# Altium PCB Copy of 2 Layers.PcbDoc (part 1 of 2)
Units mm, origin at the board's own origin, x right, y up, seen from the top; angles counter-clockwise.
Board outline 80.11 x 59.8 mm, 4 copper layers (Top Layer 1, Signal 1, Signal 2, Bottom Layer 1), stack 1.782 mm thick; 83 components, 58 nets, 373 pads, 5 vias.
Unrouted connection lines stored in the file: 233.
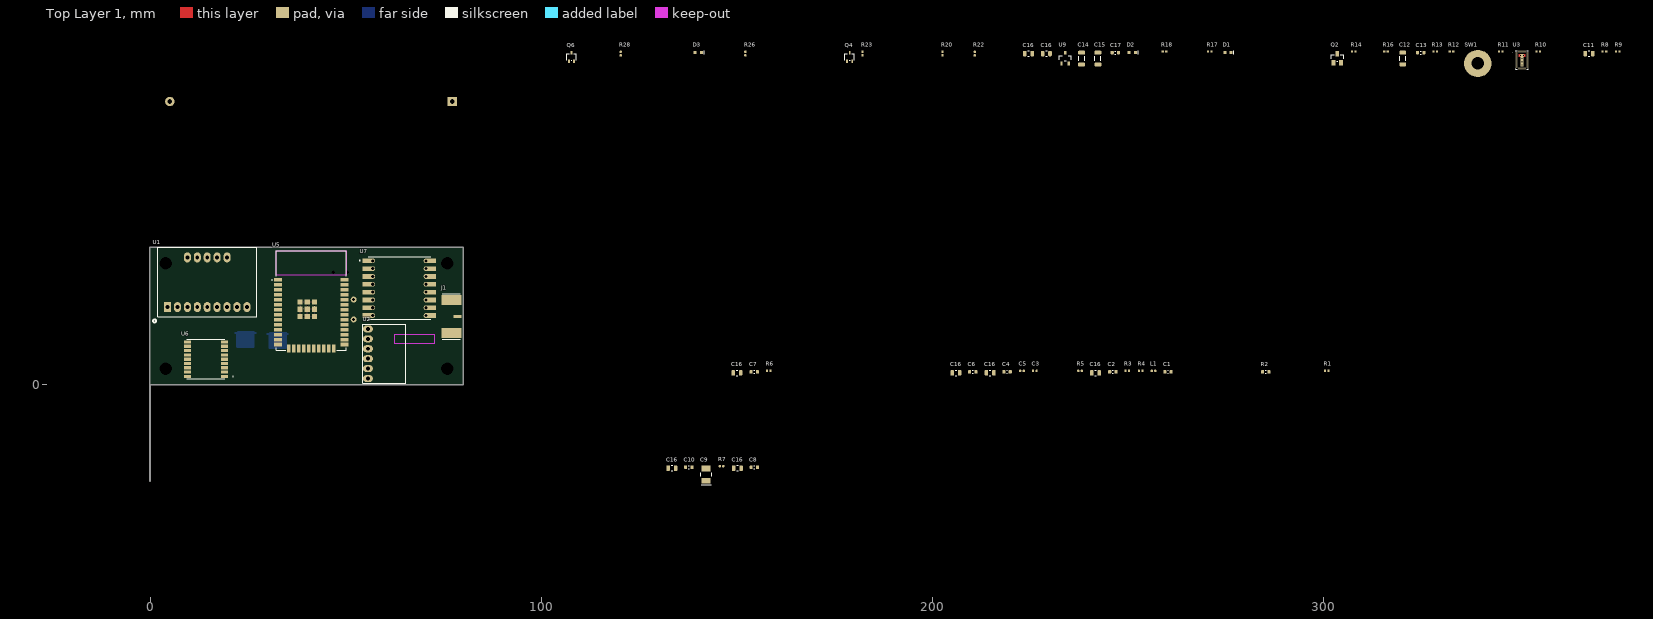
[diagram p0: Top Layer 1 view]
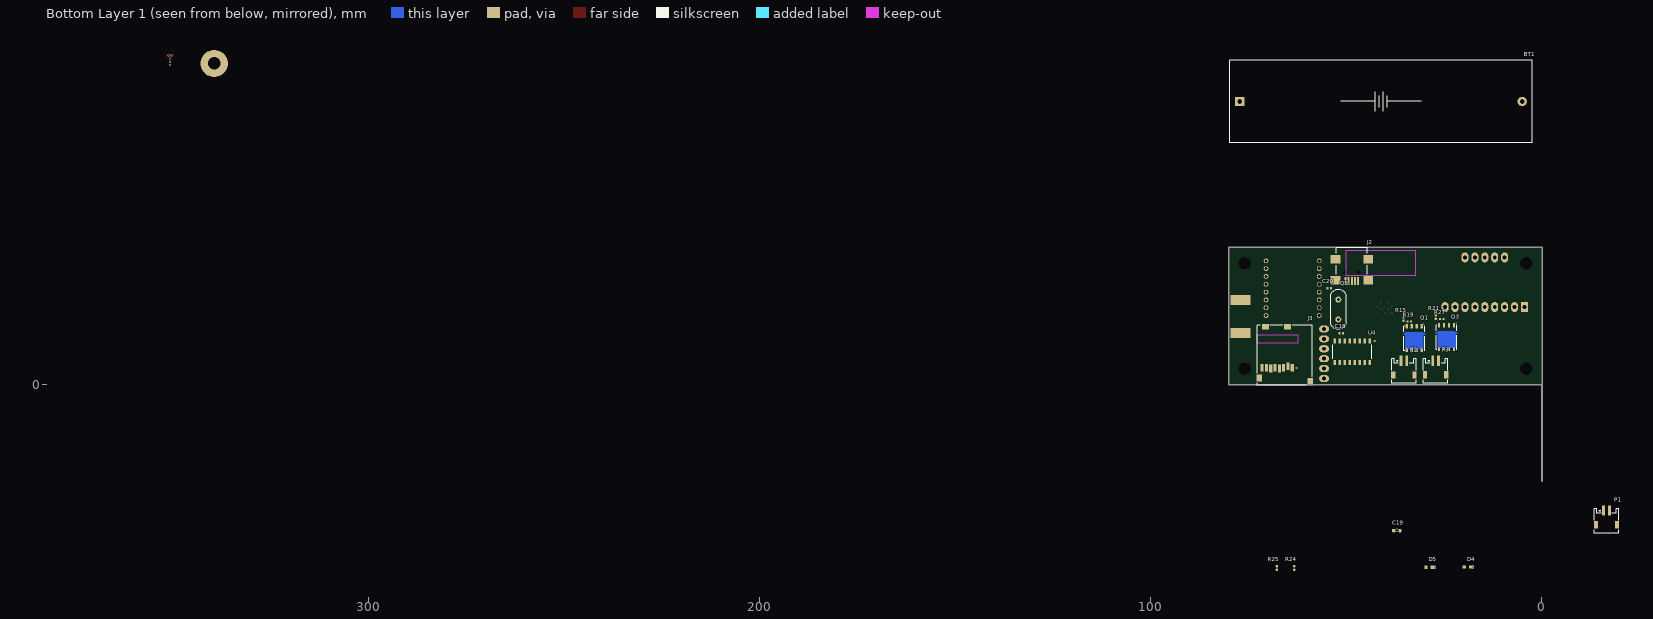
[diagram p1: Bottom Layer 1 view, seen from below]

## Layer stack, top to bottom
Top Solder: solder mask 0.01, Solder Resist, Dk 3.5
Top Layer 1: signal copper 0.035
Dielectric 1: prepreg 0.0711, PP-006, Dk 4.1
Signal 1: signal copper 0.035
Dielectric1: core 1.5, FR-4, Dk 4.8
Signal 2: signal copper 0.035
Dielectric 2: prepreg 0.0711, PP-006, Dk 4.1
Bottom Layer 1: signal copper 0.035
Bottom Solder: solder mask 0.01, Solder Resist, Dk 3.5

## Board outline
-0.05,-24.638 -0.05,35.062 cw(c0,35.062) 0,35.112 80.01,35.112 cw(c80.01,35.062) 80.06,35.062 80.06,0 cw(c80.01,0) 80.01,-0.05 0.05,-0.05 0.05,-24.638 cw(c0,-24.638)

## Design rules (kind name [scope] priority, off if disabled: settings)
AcuteAngle [All] p1: minimum=9.00000000000000E+0001 checktracksonly=TRUE
BoardOutlineClearance BoardOutlineClearance_Overlay [OnLayer('Top Overlay','Bottom Overlay')] p1: gap=0.2 ignorepadtopadclearanceinfootprint=FALSE
BoardOutlineClearance [All] p2: gap=0.5 ignorepadtopadclearanceinfootprint=FALSE
Clearance "Net to Polygon 0.5mm" [InNet('your net here') vs (IsRegion)] p1: gap=0.5 ignorepadtopadclearanceinfootprint=FALSE
Clearance "Poly 0.3mm" [(IsRegion)] p2: gap=0.3 ignorepadtopadclearanceinfootprint=FALSE
Clearance [All] p3: gap=0.25 ignorepadtopadclearanceinfootprint=TRUE
ComponentClearance ComponentClearance_ignore [HasFootprint('NET_TIE_0.5mm')] p1: gap=0 collisioncheckmode=3 verticalgap=0 showdistances=FALSE
ComponentClearance [All] p2: gap=0.2 collisioncheckmode=3 verticalgap=0.2 showdistances=FALSE
DiffPairsRouting [All] p1: maxlimit=0.254 minlimit=0.25 mostfreqgap=0.254 toplayer_maxgap=0.25 toplayer_prefgap=0.25 toplayer_minwidth=0.25 toplayer_maxwidth=0.25 toplayer_prefwidth=0.25 midlayer1_mingap=0.254 midlayer1_minwidth=0.381 midlayer1_maxwidth=0.381 midlayer1_prefwidth=0.381 midlayer2_mingap=0.254 midlayer2_minwidth=0.381 midlayer2_maxwidth=0.381 midlayer2_prefwidth=0.381 bottomlayer_maxgap=0.25 bottomlayer_prefgap=0.25 bottomlayer_minwidth=0.25 bottomlayer_maxwidth=0.25 bottomlayer_prefwidth=0.25 maxuncoupledlength=12.7
FabricationTestPointUsage TestPointUsage [All] p1: valid=0 allowmultiple=FALSE
FabricationTestpoint Testpoint [All] p1: side=3 testpointundercomponent=TRUE minsize=1.016 maxsize=2.54 preferedsize=1.524 minholesize=0 maxholesize=1.016 preferedholesize=0.813 testpointgrid=0.025 allowsidetop=TRUE allowsidebottom=TRUE usegrid=TRUE gridtolerance=0
HoleSize [All] p1: absolutevalues=TRUE maxlimit=6 minlimit=0.25 maxpercent=80.000 minpercent=20.000
HoleToHoleClearance [All] p1: gap=0.3 allowstackedmicrovias=FALSE
MinimumAnnularRing [All] p1: minimumring=0.15
MinimumSolderMaskSliver [All] p1: minsoldermaskwidth=0.15
PasteMaskExpansion PasteMaskExpansion_DNP [IsPad AND HasCompParameterValue('Populated','DNP')] p1: expansion=-5
PasteMaskExpansion [All] p2: expansion=0
PlaneClearance PlaneClearance_pads [IsPad] p1: clearance=0.3
PlaneClearance PlaneClearance_drill [IsObjectKind('Hole')] p2: clearance=0.4
PlaneConnect PlaneConnect_full [IsVia] p1: planeconnectstyle=Direct reliefexpansion=0.5 reliefentries=4 reliefconductorwidth=0.3 reliefairgap=0.3
PlaneConnect [All] p2: planeconnectstyle=Relief reliefexpansion=0.3 reliefentries=4 reliefconductorwidth=0.25 reliefairgap=0.25
PolygonConnect PolygonConnect_0.7 [IsNamedPolygon('0.7mm') vs (InPadClass('All Pads'))] p1: connectstyle=Relief reliefconductorwidth=0.7 reliefentries=4 polygonreliefangle="90 Angle" airgapwidth=0.25
PolygonConnect PolygonConnect_0.5 [IsNamedPolygon('0.5mm') vs (InPadClass('All Pads'))] p2: connectstyle=Relief reliefconductorwidth=0.5 reliefentries=4 polygonreliefangle="90 Angle" airgapwidth=0.25
PolygonConnect PolygonConnect_full [All vs IsVia or IsNamedPolygon('full')] p3: connectstyle=Direct reliefconductorwidth=0 reliefentries=4 polygonreliefangle="90 Angle" airgapwidth=0.254
PolygonConnect [All] p4: connectstyle=Relief reliefconductorwidth=0.3 reliefentries=4 polygonreliefangle="90 Angle" airgapwidth=0.25
RoomDefinition PowerSupply [InComponentClass('PowerSupply')] p1: confinementstyle=ConfineIn formatcopy=TRUE lockcomponents=FALSE outline 106.144,1.844 376.654,1.844 376.654,87.823 106.144,87.823
RoutingCorners [All] p1: cornerstyle=45-Degree minsetback=2.5 maxsetback=2.5
RoutingLayers [All] p1: top layer_v5=TRUE mid layer 1_v5=FALSE mid layer 2_v5=FALSE bottom layer_v5=TRUE
RoutingVias [All] p1: holewidth=0.4 width=0.8 viastyle="Through Hole" minholewidth=0.3 minwidth=0.7 maxholewidth=1.6 maxwidth=2.5
SMDToCorner [All] p1: distance=39370
ShortCircuit [IsNet] p1: allowed=FALSE
SilkToSilkClearance [All] p1: silktosilkclearance=0.15
SilkToSolderMaskClearance SilkscreenOverComponentPads [IsPad] p1: minsilkscreentomaskgap=0.2 clearancetoexposedcopper=TRUE
SolderMaskExpansion SolderMaskExpansion_Component_Via [IsComponentVia] p1: expansion=0.075 istentingtop=FALSE soldermaskfromhole=TRUE
SolderMaskExpansion [All] p2: expansion=0.1 istentingtop=FALSE
UnRoutedNet [All] p1: checkbadconnections=TRUE
ViasUnderSMD [All] p1: allowed=FALSE
Width [All] p1: maxlimit=7 minlimit=0.2 preferedwidth=0.25
14 further rules are at their usual default settings.

## Classes and differential pairs
component class PowerSupply: BT1 C11 C12 C13 C14 C15 C16 C17 C18 C19 C20 D1 D2 D3 D4 D5 J2 P2 P3 Q1 Q2 Q3 Q4 Q5 Q6 R8 R9 R10 R11 R12 R13 R14 R15 R16 R17 R18 R19 R20 R21 R22 R23 R24 R25 R26 R27 R28 SW1 U3 U4 U9

## Components (designator, comment, footprint, x,y, rotation, side; value= is the part's Value field where it differs from the comment)
BT1 "Battery 2 Pin" BAT_HOLDER_18650 41.148,72.39 r0 bottom value=18650
C1 "Capacitor NP" CAP_C_0603 260.322,3.241 r0 top value=0.1uF
C2 "Capacitor NP" CAP_C_0603 246.225,3.241 r0 top value=0.1uF
C3 "Capacitor NP" CAP_C_0402 226.286,3.495 r0 top value=10000pF
C4 "Capacitor NP" CAP_C_0603 219.174,3.241 r0 top value=0.1uF
C5 "Capacitor NP" CAP_C_0402 222.984,3.495 r0 top value=10000pF
C6 "Capacitor NP" CAP_C_0603 210.411,3.241 r0 top value=0.1uF
C7 "Capacitor NP" CAP_C_0603 154.531,3.241 r0 top value=0.1uF
C8 "Capacitor NP" CAP_C_0603 154.531,-21.143 r0 top value=0.1uF
C9 "Capacitor POL" CAP_TANT_B 142.212,-23.048 r90 top value=10uF
C10 "Capacitor NP" CAP_C_0603 137.767,-21.143 r0 top value=0.1uF
C11 "Capacitor NP" CAP_C_0805 368.018,84.648 r0 top value=1.2uF
C12 "Capacitor NP" CAP_C_1206 320.393,83.378 r90 top value=22uF
C13 "Capacitor NP" CAP_C_0603 324.965,84.902 r0 top value=0.1uF
C14 "Capacitor NP" CAP_C_1206 238.224,83.378 r90 top value=22uF
C15 "Capacitor NP" CAP_C_1206 242.415,83.378 r90 top value=22uF
C16 "Capacitor NP" CAP_C_0805 150.086,2.987 r0 top value=2.2uF
C16 "Capacitor NP" CAP_C_0805 150.213,-21.397 r0 top value=2.2uF
C16 "Capacitor NP" CAP_C_0805 241.78,2.987 r0 top value=2.2uF
C16 "Capacitor NP" CAP_C_0805 133.449,-21.397 r0 top value=2.2uF
C16 "Capacitor NP" CAP_C_0805 206.093,2.987 r0 top value=2.2uF
C16 "Capacitor NP" CAP_C_0805 214.856,2.987 r0 top value=2.2uF
C16 "Capacitor NP" CAP_C_0805 224.635,84.648 r0 top value=2.2uF
C16 "Capacitor NP" CAP_C_0805 229.207,84.648 r0 top value=2.2uF
C17 "Capacitor NP" CAP_C_0603 246.86,84.902 r0 top value=0.1uF
C18 "Capacitor NP" CAP_C_0402 51.308,13.081 r0 bottom value=20pF
C19 "Capacitor NP" CAP_C_0603 37.084,-37.338 r180 bottom value=0.1uF
C20 "Capacitor NP" CAP_C_0402 54.356,24.638 r180 bottom value=20pF
D1 "LED_red" LED_0603_RED 275.689,84.902 r0 top value=RED
D2 "LED_red" LED_0603_RED 251.178,84.902 r0 top value=RED
D3 "LED_red" LED_0603_RED 140.18,84.902 r0 top value=RED
D4 "LED_red" LED_0603_RED 19.045,-46.67 r180 bottom value=RED
D5 "LED_red" LED_0603_RED 28.829,-46.736 r180 bottom value=RED
J1 "CON_EDGE_SMA" SMA_EDGEMNT_9.5 77.978,17.399 r90 top value="RF Coaxial Female"
J2 "CON USB2.0 Mini_Micro" CON_USB-B_Mini_SMD_RA_HIR_UX60-MB-5ST 48.613,29.227 r0 bottom value="USB2.0 MINI-B FEMALE"
J3 "MEM2061-01-188-00-A_REVA" GCT_MEM2061-01-188-00-A_REVA 65.786,7.493 r180 bottom
L1 "Inductor" IND_C_0402 256.639,3.495 r0 top value=27nH
P1 "648102131822" 648102131822 -16.522,-34.908 r180 bottom
P2 "648102131822" 648102131822 35.306,3.429 r180 bottom
P3 "648102131822" 648102131822 27.19,3.446 r180 bottom
Q1 "Transistor MOS-N SSSGDDDD" PDFN-8_5x6 32.639,11.738 r0 bottom value=BSC032N04LSATMA1
Q2 "Transistor MOS-N GSD" SOT-23-3 303.629,83.505 r0 top value=2N7002-G
Q3 "Transistor MOS-N SSSGDDDD" PDFN-8_5x6 24.384,11.992 r0 bottom value=BSC032N04LSATMA1
Q4 "Transistor NPN BEC" SOT-323-3 178.915,83.759 r0 top value=BC847W
Q5 "12MHz" THT_Crystal 52.07,19.177 r270 bottom
Q6 "Transistor NPN BEC" SOT-323-3 107.795,83.759 r0 top value=BC847W
R1 "Resistor" RES_C_0402 300.962,3.495 r0 top value=10k
R2 "Resistor" RES_C_0603 285.341,3.241 r0 top value=BLM18EG601SN1D
R3 "Resistor" RES_C_0402 249.908,3.495 r0 top value=2.2k
R4 "Resistor" RES_C_0402 253.337,3.495 r0 top value=2.2k
R5 "Resistor" RES_C_0402 237.843,3.495 r0 top value=10R
R6 "Resistor" RES_C_0402 158.214,3.495 r0 top value=10k
R7 "Resistor" RES_C_0402 146.149,-20.889 r0 top value=10k
R8 "Resistor" RES_C_0402 371.955,85.156 r0 top value=100R
R9 "Resistor" RES_C_0402 375.384,85.156 r0 top value=33k
R10 "Resistor" RES_C_0402 355.064,85.156 r0 top value=10k
R11 "Resistor" RES_C_0402 345.412,85.156 r0 top value=2.2k
R12 "Resistor" RES_C_0402 332.839,85.156 r0 top value=1k
R13 "Resistor" RES_C_0402 328.648,85.156 r0 top value=3.3k
R14 "Resistor" RES_C_0402 307.82,85.156 r0 top value=2.2k
R15 "Resistor" RES_C_0402 35.389,16.764 r90 bottom value=100R
R16 "Resistor" RES_C_0402 316.075,85.156 r0 top value=100k
R17 "Resistor" RES_C_0402 270.99,85.156 r0 top value=33k
R18 "Resistor" RES_C_0402 259.433,85.156 r0 top value=62k
R19 "Resistor" RES_C_0402 33.909,16.129 r0 bottom value=3.3k
R20 "Resistor" RES_C_0402 202.664,84.648 r90 top value=2.2k
R21 "Resistor" RES_C_0402 27.134,17.272 r90 bottom value=100R
R22 "Resistor" RES_C_0402 210.919,84.648 r90 top value=100k
R23 "Resistor" RES_C_0402 182.217,84.648 r90 top value=10k
R24 "Resistor" RES_C_0402 63.345,-46.924 r90 bottom value=2.2k
R25 "Resistor" RES_C_0402 67.79,-46.924 r90 bottom value=2.2k
R26 "Resistor" RES_C_0402 152.245,84.648 r90 top value=62k
R27 "Resistor" RES_C_0402 25.654,16.764 r0 bottom value=3.3k
R28 "Resistor" RES_C_0402 120.368,84.648 r90 top value=10k
SW1 "Srew SW" Screw_SW 339.57,82.108 r0 top
U1 "Adafruit LSM6DSO32" Adafruit_ISM330DHXC 14.605,26.162 r0 top
U2 "BMP280_Modul" BMP280_MODUL 59.944,7.874 r270 top
U3 "MIC33M350 QFN-24" QFN-24_3X4.5_MIC33M350 350.873,82.997 r0 top value=MIC33M350
U4 "CH340G" SOIC127P600X180-16N 48.514,8.382 r270 bottom
U5 "ESP32-WROOM-32" MODULE_ESP32-WROOM-32 41.202,21.487 r0 top
U6 "MAX-M8C-0-10" XCVR_MAX-M8C-0-10 14.275,6.477 r180 top
U7 "RFM98W-433S2" XCVR_RFM98W-433S2 63.754,24.638 r0 top
U9 "MCP170X SOT-23-3_SOT-23A-3" SOT-23A-3 234.033,83.505 r0 top value=MCP1703A/3.3V

## Footprints (in the part's own frame and the unit in brackets; to place one, negate y for a bottom-side part, rotate by r counter-clockwise, add the part's x,y. Pads: shape width x height; smd on the part's side, far side on the other; paste and mask are expansions set on the pad)
648102131822 [mm] "1.50mm SMT Male Horizontal Shrouded Header, 2p"
  rect 0.7x2.6 smd: 1(-0.75,2.65) 2(0.75,2.65)
  rect 1.1x1.9 smd: MP1(-2.7,-1) MP2(2.7,-1)
  silkscreen extent -3.15,-3.13 3.15,3.13, body extent -3.11,-3 3.1,3.47, height 3.74
Adafruit_ISM330DHXC [mm]
  rect 1.8x2.54 hole 1: 1(-10.16,-6.35)
  oval 1.8x2.54 hole 1: 2(-7.62,-6.35) 3(-5.08,-6.35) 4(-2.54,-6.35) 5(0,-6.35) 6(2.54,-6.35) 7(5.08,-6.35) 8(7.62,-6.35) 9(10.16,-6.35) 10(5.08,6.35) 11(2.54,6.35) 12(0,6.35) 13(-2.54,6.35) 14(-5.08,6.35)
  silkscreen extent -13.84,-10.29 12.7,8.89, body extent -12.7,-8.89 12.7,8.89, height 4.85
BAT_HOLDER_18650 [mm]
  rect 2.4x2.4 hole 1.2: 1(36.11,0)
  round 2.4 hole 1.2: 2(-36.11,0)
  rrect50% 0x0 hole 3.45 unplated mask+0.102: BEF(-27.6,-8) BEF(27.6,8)
  rrect50% 0x0 hole 2.39 unplated mask+0.102: BEF(36.11,-8)
  silkscreen extent -38.73,-10.54 38.73,10.54, body extent -38.53,-10.33 38.53,10.32, height 14.86
BMP280_MODUL [mm]
  oval 1.8x2.54 hole 1: 1(-6.35,-4.23) 2(-3.81,-4.23) 3(-1.27,-4.23) 4(1.27,-4.23) 5(3.81,-4.23) 6(6.35,-4.23)
  silkscreen extent -7.5,-5.5 7.5,5.5, body extent -7.49,-5.72 7.75,5.28, height 6.27
CAP_C_0402 [mm] "Chip Capacitor, 2-Leads, Body 1.0x0.5mm, IPC High Density"
  rrect50% 0.55x0.6 smd: 1(-0.45,0) 2(0.45,0)
  body extent -0.5,-0.3 0.5,0.3, height 0.2
CAP_C_0603 [mm] "Chip Capacitor, 2-Leads, Body 1.6x0.8mm, IPC Medium Density"
  rrect50% 0.8x0.9 smd: 1(-0.8,0) 2(0.8,0)
  silkscreen extent -0.1,-0.38 0.1,0.38, body extent -0.8,-0.4 0.8,0.4, height 0.65
CAP_C_0805 [mm] "Chip Capacitor, 2-Leads, Body 2.0x1.3mm, IPC Medium Density"
  rrect50% 0.9x1.4 smd: 1(-0.95,0) 2(0.95,0)
  silkscreen extent -0.2,-0.7 0.2,0.7, body extent -1,-0.62 1,0.63, height 0.78
CAP_C_1206 [mm] "Chip Capacitor, 2-Leads, Body 3.2x1.6mm, IPC Medium Density"
  rrect50% 1x1.75 smd: 1(-1.5,0) 2(1.5,0)
  silkscreen extent -0.6,-0.77 0.6,0.77, body extent -1.6,-0.8 1.6,0.8, height 1
CAP_TANT_B [mm] "Molded Capacitor, 2-Leads, Body 3.5x2.8mm, IPC Medium Density"
  rect 1.5x2.25 smd: 1(-1.575,0) 2(1.575,0)
  silkscreen extent -2.63,-1.4 0.43,1.4, body extent -1.84,-1.4 1.85,1.42, height 2.09
CON_USB-B_Mini_SMD_RA_HIR_UX60-MB-5ST [mm] "USB Mini B Metal Shield SMT R/A Type With Positioning Post"
  rect 2.5x2.2 smd: 0(-4.2,-2.775) 0(-4.2,2.525) 0(4.2,-2.775) 0(4.2,2.525)
  rect 0.5x2 smd: 1(-1.6,2.775) 2(-0.8,2.775) 3(0,2.775) 4(0.8,2.775) 5(1.6,2.775)
  round 0 hole 0.9 unplated: MH(-1.75,0.525) MH(1.75,0.525)
  silkscreen extent -4,-5.75 4,1, body extent -4.95,-5.85 4.95,3.15, height 4.6
GCT_MEM2061-01-188-00-A_REVA [mm]
  rect 0.8x2 smd: 1(1.94,-3.225) 2(0.84,-2.825) 3(-0.26,-3.225) 4(-1.36,-3.425) 5(-2.46,-3.225) 6(-3.56,-3.425) 7(-4.66,-3.225) 8(-5.76,-3.225)
  rect 1.8x1.4 smd: 9(-4.95,7.325) 10(0.75,7.325)
  rect 1.4x1.9 smd: 11(-6.55,-5.825) 12(6.6,-6.825)
  Keep-Out Layer region: 3.37,3.1 -7.011,3.1 -7.011,5.175 3.37,5.175
  silkscreen extent -7,-7.73 7,7.73
IND_C_0402 [mm]
  rrect50% 0.55x0.6 smd: 1(-0.45,0) 2(0.45,0)
  body extent -0.5,-0.3 0.5,0.3, height 0.49
LED_0603_RED [mm] "LED chip 0603"
  rect 0.8x0.8 smd: 1(-0.8,0) 2(0.8,0)
  silkscreen extent 1.5,-0.4 1.5,0.4, body extent -0.81,-0.4 0.81,0.4, height 0.6
MODULE_ESP32-WROOM-32 [mm]
  rect 2x0.9 smd: 1(-8.5,5.26) 2(-8.5,3.99) 3(-8.5,2.72) 4(-8.5,1.45) 5(-8.5,0.18) 6(-8.5,-1.09) 7(-8.5,-2.36) 8(-8.5,-3.63) 9(-8.5,-4.9) 10(-8.5,-6.17) 11(-8.5,-7.44) 12(-8.5,-8.71) 13(-8.5,-9.98) 14(-8.5,-11.25) 25(8.5,-11.25) 26(8.5,-9.98) 27(8.5,-8.71) 28(8.5,-7.44) 29(8.5,-6.17) 30(8.5,-4.9) 31(8.5,-3.63) 32(8.5,-2.36) 33(8.5,-1.09) 34(8.5,0.18) 35(8.5,1.45) 36(8.5,2.72) 37(8.5,3.99) 38(8.5,5.26)
  rect 0.9x2 smd: 15(-5.715,-12.25) 16(-4.445,-12.25) 17(-3.175,-12.25) 18(-1.905,-12.25) 19(-0.635,-12.25) 20(0.635,-12.25) 21(1.905,-12.25) 22(3.175,-12.25) 23(4.445,-12.25) 24(5.715,-12.25)
  rect 1.33x1.33 smd: 39_1(-2.835,-0.405) 39_2(-1,-0.405) 39_3(0.835,-0.405) 39_4(-2.835,-2.24) 39_5(-1,-2.24) 39_6(0.835,-2.24) 39_7(-2.835,-4.075) 39_8(-1,-4.075) 39_9(0.835,-4.075)
  round 0.3 hole 0.2: 39_10(-1.917,-0.405) 39_11(-0.082,-0.405) 39_12(-2.835,-1.322) 39_13(-1,-1.322) 39_14(0.835,-1.322) 39_15(-1.917,-2.24) 39_16(-0.082,-2.24) 39_17(-2.835,-3.157) 39_18(-1,-3.157) 39_19(0.835,-3.157) 39_20(-1.917,-4.075) 39_21(-0.082,-4.075)
  Keep-Out Layer region: 9,6.45 -9,6.45 -9,12.75 9,12.75
  Keep-Out Layer region: 9,6.45 -9,6.45 -9,12.75 9,12.75
  silkscreen extent -10.1,-12.75 9,12.75
PDFN-8_5x6 [mm] "PDFN, 8-Leads, Body 5x6mm (max), Pitch 1.27mm, MCHP recommended land pattern"
  rect 0.56x1.06 smd: 1(-1.905,-3.175) 2(-0.635,-3.175) 3(0.635,-3.175) 4(1.905,-3.175)
  rect 0.56x0.86 smd: 5(1.905,2.975) 6(0.635,2.975) 7(-0.635,2.975) 8(-1.905,2.975)
  Top Layer 1 region: -2.13,2.6 -2.31,2.42 -2.31,-1.02 -2.75,-1.02 -2.75,-1.37 -2.31,-1.37 -2.005,-1.675 2.31,-1.675 2.31,-1.37 2.75,-1.37 2.75,-1.02 2.31,-1.02 2.31,2.42 2.13,2.6
  silkscreen extent -2.65,-3.15 2.65,3.15, body extent -2.5,-3 2.5,3, height 1
QFN-24_3X4.5_MIC33M350 [mm]
  rect 0.6x0.25 smd mask+0.05: 1(-1.4,1.75) 2(-1.4,1.25) 3(-1.4,0.75) 4(-1.4,0.25) 5(-1.4,-0.25) 6(-1.4,-0.75) 7(-1.4,-1.25) 8(-1.4,-1.75) 13(1.4,-1.75) 14(1.4,-1.25) 15(1.4,-0.75) 16(1.4,-0.25) 17(1.4,0.25) 18(1.4,0.75) 19(1.4,1.25) 20(1.4,1.75)
  rect 0.25x0.6 smd mask+0.05: 9(-0.75,-2.175) 10(-0.25,-2.175) 11(0.25,-2.175) 12(0.75,-2.175) 21(0.75,2.175) 22(0.25,2.175) 23(-0.25,2.175) 24(-0.75,2.175)
  rect 0.8x3.14 smd mask+0.075: 25(0,-0.05)
  Top Layer 1 region: -0.875,1.525 0.875,1.525 0.875,0.775 -0.875,0.775
  silkscreen extent -1.65,-2.4 1.65,2.4, body extent -1.5,-2.25 1.5,2.25, height 1.85
RES_C_0402 [mm] "Chip Resistor, 2-Leads, Body 1.0x0.5mm, IPC Medium Density"
  rrect50% 0.55x0.6 smd: 1(-0.45,0) 2(0.45,0)
  body extent -0.5,-0.3 0.5,0.3, height 0.2
RES_C_0603 [mm] "Chip Resistor, 2-Leads, Body 1.6x0.8mm, IPC Medium Density"
  rrect50% 0.8x0.9 smd: 1(-0.8,0) 2(0.8,0)
  silkscreen extent -0.1,-0.38 0.1,0.38, body extent -0.8,-0.4 0.8,0.4, height 0.3
Screw_SW [mm]
  round 7 hole 3.2 unplated: 1(0,0) 2(0,0)
SMA_EDGEMNT_9.5 [mil] "Emerson CONN SMA JACK END LAUNCH PCB 18Ghz"
  rect 30x80 smd: 1(0,-26)
  rect 100x200 smd: 2(-165,35) 2(165,35)
  rect 100x200 smd far side: 2(-165,35) 2(165,35)
  silkscreen extent -230,-55 230,129, body extent -187,-446 188,116, height 161
SOIC127P600X180-16N [mm]
  rrect25% 1.31x0.62 smd: 1(-2.75,4.445) 2(-2.75,3.175) 3(-2.75,1.905) 4(-2.75,0.635) 5(-2.75,-0.635) 6(-2.75,-1.905) 7(-2.75,-3.175) 8(-2.75,-4.445) 9(2.75,-4.445) 10(2.75,-3.175) 11(2.75,-1.905) 12(2.75,-0.635) 13(2.75,0.635) 14(2.75,1.905) 15(2.75,3.175) 16(2.75,4.445)
  silkscreen extent -2.85,-5 1.78,5.85, body extent -3,-5 3,5, height 1.8
SOT-23-3 [mm]
  rect 1x1.4 smd: 1(-0.95,-1.15) 2(0.95,-1.15) 3(0,1.15)
  silkscreen extent -1.6,-0.8 1.6,0.9, body extent -1.5,-1.25 1.5,1.25, height 1.09
SOT-23A-3 [mm]
  rect 0.6x1 smd: 1(-0.95,-1.35) 2(0.95,-1.35) 3(0,1.35)
  silkscreen extent -1.52,-0.65 1.52,0.62, body extent -1.5,-1.25 1.5,1.25, height 1.09
SOT-323-3 [mm] "SC-70-3 Equivalent"
  rect 0.45x0.95 smd: 1(-0.65,-1.1) 2(0.65,-1.1) 3(0,1.1)
  silkscreen extent -1.2,-0.8 1.2,0.8, body extent -1.1,-1.12 1.1,1.12, height 1.1
THT_Crystal [mil]
  round 60 hole 30: 1(-100,0) 2(100,0)
  silkscreen extent -205,-78 200,78, body extent -219,-92 221,92, height 143
XCVR_MAX-M8C-0-10 [mm]
  rect 1.8x0.7 smd paste-2 mask+0: 1(-4.75,4.4) 9(-4.75,-4.4) 10(4.75,-4.4) 18(4.75,4.4)
  rect 1.8x0.8 smd paste-2 mask+0: 2(-4.75,3.3) 3(-4.75,2.2) 4(-4.75,1.1) 5(-4.75,0) 6(-4.75,-1.1) 7(-4.75,-2.2) 8(-4.75,-3.3) 11(4.75,-3.3) 12(4.75,-2.2) 13(4.75,-1.1) 14(4.75,0) 15(4.75,1.1) 16(4.75,2.2) 17(4.75,3.3)
  silkscreen extent -7,-5.06 4.85,5.06
XCVR_RFM98W-433S2 [mm]
  rect 2.8x1.2 smd: 1(-8,7) 2(-8,5) 3(-8,3) 4(-8,1) 5(-8,-1) 6(-8,-3) 7(-8,-5) 8(-8,-7) 9(8,-7) 10(8,-5) 11(8,-3) 12(8,-1) 13(8,1) 14(8,3) 15(8,5) 16(8,7)
  round 1.2 hole 0.8: 1_1(-6.8,7) 2_1(-6.8,5) 3_1(-6.8,3) 4_1(-6.8,1) 5_1(-6.8,-1) 6_1(-6.8,-3) 7_1(-6.8,-5) 8_1(-6.8,-7) 9_1(6.8,-7) 10_1(6.8,-5) 11_1(6.8,-3) 12_1(6.8,-1) 13_1(6.8,1) 14_1(6.8,3) 15_1(6.8,5) 16_1(6.8,7)
  silkscreen extent -10.23,-8 8,8

## Part data
BT1: library part BAT1037, "Battery", Manufacturer 1="Keystone Electronics", Manufacturer Part Number 1=1043P, Operating Temperature="-50C to +145C", Supplier Part Number 1=36-1043P-ND, Category=Battery, ComponentLink1Description="SVN Datasheet", ComponentLink1URL=https://chn-vm-apps.microchip.com/mchprepo/parts/Datasheets/1043P.pdf, ComponentLink2Description="Local Datasheet", ComponentLink2URL=C:\ALTIUM_WORK\00001_MCHP-CDB\Datasheets\1043P.pdf, ComponentLink3Description="Open Symbol", ComponentLink3URL="C:\ALTIUM_WORK\00001_MCHP-CDB\Library\LibraryRefs\Battery 2 Pin.SchLib", ComponentLink4Description="Open Footprint", ComponentLink4URL=C:\ALTIUM_WORK\00001_MCHP-CDB\Library\Footprints\BAT_HOLDER_18650.PcbLib, ComponentLink5Description="Open Footprint 2", ComponentLink6Description="Open Footprint 3", ComponentLink7Description="Open Footprint 4", Description_="BATT HOLDER 1 TH 18650", Dev Tools Status=Design, MCHP-ID=BAT1037, Owner="Cristian Papuc", Populated=YES, Quantity Override=1, Revision=A, Status="MCL Design", Supplier 1=Digi-Key, Symbol="Battery 2 Pin", Type=Holder
C1 C2 C4 C6 C7 C8 C10 C13 C17 C19: library part CAP0380, Manufacturer 1=AVX, Manufacturer Part Number 1=06033D104KAT2A, Operating Temperature="-55C to +85C", Package=0603, Supplier Part Number 1=478-1244-1-ND, Temperature Coefficient=X5R, Tolerance=10%, Voltage=25V, Category=Capacitor, ComponentLink1Description="SVN Datasheet", ComponentLink1URL=https://chn-vm-apps.microchip.com/mchprepo/parts/Datasheets/smccp.pdf, ComponentLink2Description="Local Datasheet", ComponentLink2URL=C:\ALTIUM_WORK\00001_MCHP-CDB\Datasheets\smccp.pdf, ComponentLink3Description="Open Symbol", ComponentLink3URL="C:\ALTIUM_WORK\00001_MCHP-CDB\Library\LibraryRefs\Capacitor NP.SchLib", ComponentLink4Description="Open Footprint", ComponentLink4URL=C:\ALTIUM_WORK\00001_MCHP-CDB\Library\Footprints\CAP_C_0603.PcbLib, ComponentLink5Description="Open Footprint 2", ComponentLink6Description="Open Footprint 3", ComponentLink7Description="Open Footprint 4", Description_="CAP CER 0.1uF 25V 10% X5R SMD 0603", Dev Tools Status=Production, MCHP-ID=CAP0380, Populated=Yes, Quantity Override=1, Revision=1, Status="MCL Design", Supplier 1=Digi-Key, Symbol="Capacitor NP", Type=Ceramic
C3 C5: library part CAP0278, Manufacturer 1=KEMET, Manufacturer Part Number 1=C0402C103K4RACTU, Manufacturer Part Number 2=C0402C103K4RAC, Operating Temperature="-55C to +125C", Package=0402, Supplier Part Number 1=399-1038-1-ND, Temperature Coefficient=X7R, Tolerance=10%, Voltage=16V, Category=Capacitor, ComponentLink1Description="SVN Datasheet", ComponentLink1URL=https://chn-vm-apps.microchip.com/mchprepo/parts/Datasheets/KEM_C1002_X7R_SMD.pdf, ComponentLink2Description="Local Datasheet", ComponentLink2URL=C:\ALTIUM_WORK\00001_MCHP-CDB\Datasheets\KEM_C1002_X7R_SMD.pdf, ComponentLink3Description="Open Symbol", ComponentLink3URL="C:\ALTIUM_WORK\00001_MCHP-CDB\Library\LibraryRefs\Capacitor NP.SchLib", ComponentLink4Description="Open Footprint", ComponentLink4URL=C:\ALTIUM_WORK\00001_MCHP-CDB\Library\Footprints\CAP_C_0402.PcbLib, ComponentLink5Description="Open Footprint 2", ComponentLink6Description="Open Footprint 3", ComponentLink7Description="Open Footprint 4", Description_="CAP CER 10000pF 16V 10% X7R SMD 0402", Dev Tools Status=Production, Manufacturer 2=KEMET, MCHP-ID=CAP0278, Populated=YES, Quantity Override=1, Revision=1, Status="MCL Design", Supplier 1=Digi-Key, Supplier 2=KEMET, Supplier Part Number 2=C0402C103K4RAC, Symbol="Capacitor NP", Type=Ceramic
C9: library part CAP0048, "Capacitor", Manufacturer 1=AVX, Manufacturer 2=Nemco, Manufacturer 4=Vishay, Manufacturer Part Number 1=TAJB106M016Y, Manufacturer Part Number 2=PCT10/16BKLF, Manufacturer Part Number 3=PCT10/16BMLF, Manufacturer Part Number 4=293D106X0016B2WE3, Manufacturer Part Number 5=293D106X0016B2W, Operating Temperature="-55C to +85C", Package=TANT-B, Tolerance=20%, Voltage=16V, Category=Capacitor, ComponentLink1Description="SVN Datasheet", ComponentLink1URL=https://chn-vm-apps.microchip.com/mchprepo/parts/Datasheets/293d.pdf, ComponentLink2Description="Local Datasheet", ComponentLink2URL=C:\ALTIUM_WORK\00001_MCHP-CDB\Datasheets\293d.pdf, ComponentLink3Description="Open Symbol", ComponentLink3URL="C:\ALTIUM_WORK\00001_MCHP-CDB\Library\LibraryRefs\Capacitor POL.SchLib", ComponentLink4Description="Open Footprint", ComponentLink4URL=C:\ALTIUM_WORK\00001_MCHP-CDB\Library\Footprints\CAP_TANT_B.PcbLib, ComponentLink5Description="Open Footprint 2", ComponentLink6Description="Open Footprint 3", ComponentLink7Description="Open Footprint 4", Description_="CAP TANT 10uF 16V 20% 2Ohm SMD B", Dev Tools Status=Production, ESR=2Ohm, Manufacturer 3=Nemco, Manufacturer 5=Vishay, MCHP-ID=CAP0048, Populated=Yes, Quantity Override=1, Revision=1, Status="MCL Design", Supplier 1=AVX, Supplier 2=Nemco, Supplier 3=Nemco, Supplier 4=Vishay, Supplier 5=Vishay, Supplier Part Number 1=TAJB106M016Y, Supplier Part Number 2=PCT10/16BKLF, Supplier Part Number 3=PCT10/16BMLF, Supplier Part Number 4=293D106X0016B2WE3, Supplier Part Number 5=293D106X0016B2W, Symbol="Capacitor POL", Type=Tantalum
C11: library part CAP1752, Manufacturer 1=KEMET, Manufacturer Part Number 1=C0805C125K4RACTU, Operating Temperature="-55C to +125C", Package=0805, Supplier Part Number 1=399-4927-1-ND, Temperature Coefficient=X7R, Tolerance=10%, Voltage=16V, Category=Capacitor, ComponentLink1Description="SVN Datasheet", ComponentLink1URL=https://chn-vm-apps.microchip.com/mchprepo/parts/Datasheets/KEM_C1002_X7R_SMD.pdf, ComponentLink2Description="Local Datasheet", ComponentLink2URL=C:\ALTIUM_WORK\00001_MCHP-CDB\Datasheets\KEM_C1002_X7R_SMD.pdf, ComponentLink3Description="Open Symbol", ComponentLink3URL="C:\ALTIUM_WORK\00001_MCHP-CDB\Library\LibraryRefs\Capacitor NP.SchLib", ComponentLink4Description="Open Footprint", ComponentLink4URL=C:\ALTIUM_WORK\00001_MCHP-CDB\Library\Footprints\CAP_C_0805.PcbLib, ComponentLink5Description="Open Footprint 2", ComponentLink6Description="Open Footprint 3", ComponentLink7Description="Open Footprint 4", Description_="CAP CER 1.2uF 16V 10% X7R SMD 0805", Dev Tools Status=Design, MCHP-ID=CAP1752, Owner="Alexandru Chiser - M19201", Populated=YES, Quantity Override=1, Revision=A, Status="MCL Design", Supplier 1=Digi-Key, Symbol="Capacitor NP", Type=Ceramic
C12 C14 C15: library part CAP1579, Manufacturer 1="Murata Electronics North America                                                                               Murata Electronics North America", Manufacturer Part Number 1=GRM31CR61E226KE15L, Operating Temperature="-55°C to +85°C", Package=1206, Supplier Part Number 1=490-5527-1-ND, Tolerance=10%, Voltage=25V, Category=Capacitor, ComponentLink1Description="SVN Datasheet", ComponentLink1URL=https://chn-vm-apps.microchip.com/mchprepo/parts/Datasheets/c02e.pdf, ComponentLink2Description="Local Datasheet", ComponentLink2URL=C:\ALTIUM_WORK\00001_MCHP-CDB\Datasheets\c02e.pdf, ComponentLink3Description="Open Symbol", ComponentLink3URL="C:\ALTIUM_WORK\00001_MCHP-CDB\Library\LibraryRefs\Capacitor NP.SchLib", ComponentLink4Description="Open Footprint", ComponentLink4URL=C:\ALTIUM_WORK\00001_MCHP-CDB\Library\Footprints\CAP_C_1206.PcbLib, ComponentLink5Description="Open Footprint 2", ComponentLink6Description="Open Footprint 3", ComponentLink7Description="Open Footprint 4", Description_="CAP CER 22uF 25V 10% X5R SMD 1206", Dev Tools Status=Production, MCHP-ID=CAP1579, Owner="Jose Garcia", Populated=YES, Quantity Override=1, Revision=2, Status="MCL Design", Supplier 1=Digi-Key, Symbol="Capacitor NP", Type=Ceramic
C16 C16 C16 C16 C16 C16 C16 C16: library part CAP1017, "Capacitor", Manufacturer 1=TDK, Manufacturer Part Number 1=C2012X5R1H225K, Operating Temperature="-55C to +85C", Package=0805, Supplier Part Number 1=445-5976-1-ND, Temperature Coeffcient=X5R, Tolerance=10%, Voltage=50V, Category=Capacitor, ComponentLink1Description="SVN Datasheet", ComponentLink1URL=https://chn-vm-apps.microchip.com/mchprepo/parts/Datasheets/general_B11.pdf, ComponentLink2Description="Local Datasheet", ComponentLink2URL=C:\ALTIUM_WORK\00001_MCHP-CDB\Datasheets\general_B11.pdf, ComponentLink3Description="Open Symbol", ComponentLink3URL="C:\ALTIUM_WORK\00001_MCHP-CDB\Library\LibraryRefs\Capacitor NP.SchLib", ComponentLink4Description="Open Footprint", ComponentLink4URL=C:\ALTIUM_WORK\00001_MCHP-CDB\Library\Footprints\CAP_C_0805.PcbLib, ComponentLink5Description="Open Footprint 2", ComponentLink6Description="Open Footprint 3", ComponentLink7Description="Open Footprint 4", Description_="CAP CER 2.2uF 50V 10% X5R SMD 0805", Dev Tools Status=Production, MCHP-ID=CAP1017, Owner="Brent Lanphear", Populated=Yes, Quantity Override=1, Revision=2, Status="MCL Design", Supplier 1=Digi-Key, Symbol="Capacitor NP", Type=Ceramic
C18 C20: library part CAP2438, Manufacturer 1="Samsung Electro-Mechanics", Manufacturer Part Number 1=CL05C200GB51PNC, Operating Temperature="-55C to +125C", Package=0402, Supplier Part Number 1=1276-CL05C200GB51PNCTR-ND, Temperature Coefficient=C0G, Tolerance=2%, Voltage=50V, Category=Capacitor, ComponentLink1Description="SVN Datasheet", ComponentLink2Description="Local Datasheet", ComponentLink3Description="Open Symbol", ComponentLink3URL="C:\ALTIUM_WORK\00001_MCHP-CDB\Library\LibraryRefs\Capacitor NP.SchLib", ComponentLink4Description="Open Footprint", ComponentLink4URL=C:\ALTIUM_WORK\00001_MCHP-CDB\Library\Footprints\CAP_C_0402.PcbLib, ComponentLink5Description="Open Footprint 2", ComponentLink6Description="Open Footprint 3", ComponentLink7Description="Open Footprint 4", Description_="Ceramic capacitor, SMD 0402, 20pF, C0G, 50V, +/-2%", Dev Tools Status=Production, MCHP-ID=CAP2438, Owner="Dragos Danaila", Populated=YES, Quantity Override=1, Revision=1, Status="MCL Design", Supplier 1=Digikey, Symbol="Capacitor NP", Type=Ceramic
D1 D2 D3 D4 D5: library part DIODE1066, "LED", Forward Current=20mA, Manufacturer 1=Lumex, Manufacturer Part Number 1=SML-LX0603SRW-TR, Operating Temperature="-40C to +85C", Package=0603, Reverse Current=100uA, Reverse Voltage=5V, Supplier Part Number 1=67-1551-1-ND, Category=Diode, ComponentLink1Description="SVN Datasheet", ComponentLink1URL=https://chn-vm-apps.microchip.com/mchprepo/parts/Datasheets/SML-LX0603SRW-TR.pdf, ComponentLink2Description="Local Datasheet", ComponentLink2URL=C:\ALTIUM_WORK\00001_MCHP-CDB\Datasheets\SML-LX0603SRW-TR.pdf, ComponentLink3Description="Open Symbol", ComponentLink3URL=C:\ALTIUM_WORK\00001_MCHP-CDB\Library\LibraryRefs\LED_red.SchLib, ComponentLink4Description="Open Footprint", ComponentLink4URL=C:\ALTIUM_WORK\00001_MCHP-CDB\Library\Footprints\LED_0603_RED.PcbLib, ComponentLink5Description="Open Footprint 2", ComponentLink6Description="Open Footprint 3", ComponentLink7Description="Open Footprint 4", Description_="DIO LED RED 1.7V 20mA 15mcd Diffuse SMD 0603", Dev Tools Status=Production, MCHP-ID=DIODE1066, Owner="Tad Ahlvers", Populated=YES, Quantity Override=1, Revision=1, Status="MCL Design", Supplier 1=Digi-Key, Symbol=LED_red, Type="LED Single"
J1: library part CON2180, Manufacturer 1="Cinch Connectivity Solutions Johnson", Manufacturer Part Number 1=142-0701-851, Operating Temperature="-65°C ~ 165°C", Supplier Part Number 1=J658-ND, Assembly Type=SMD, Category=Connector, ComponentLink1Description="SVN Datasheet", ComponentLink1URL=https://chn-vm-apps.microchip.com/mchprepo/parts/Datasheets/dr-CCS-JOHN-142-0701-851.pdf, ComponentLink2Description="Local Datasheet", ComponentLink2URL=C:\ALTIUM_WORK\00001_MCHP-CDB\Datasheets\dr-CCS-JOHN-142-0701-851.pdf, ComponentLink3Description="Open Symbol", ComponentLink3URL=C:\ALTIUM_WORK\00001_MCHP-CDB\Library\LibraryRefs\CON_EDGE_SMA.SchLib, ComponentLink4Description="Open Footprint", ComponentLink4URL=C:\ALTIUM_WORK\00001_MCHP-CDB\Library\Footprints\SMA_EDGEMNT_9.5.PcbLib, ComponentLink5Description="Open Footprint 2", ComponentLink6Description="Open Footprint 3", ComponentLink7Description="Open Footprint 4", Description_="CON RF Coaxial SMA Female 2P SMD Edge MNT", Dev Tools Status=Design, MCHP-ID=CON2180, Owner="Sam Charles", Populated=YES, Quantity Override=1, Revision=1, Status="MCL Design", Supplier 1=Digi-Key, Symbol=CON_EDGE_SMA, Type=RF
J2: library part CON0276, Manufacturer 1="Wurth Electronics Inc", Manufacturer 2=Hirose, Manufacturer 3=Oupiin, Manufacturer 4="Dongguan Yang Ming Precision Plastic Hardware Electronics Co., Ltd. (ShenZhen YangMing)", Manufacturer Part Number 1=651305142821, Manufacturer Part Number 2=UX60-MB-5ST, Manufacturer Part Number 3=8969-B05C00DBU, Manufacturer Part Number 4=YM-02-04-A-36, Supplier Part Number 1=732-3154-1-ND, Category=Connector, ComponentLink1Description="SVN Datasheet", ComponentLink1URL=https://chn-vm-apps.microchip.com/mchprepo/parts/Datasheets/e24000019.pdf, ComponentLink2Description="Local Datasheet", ComponentLink2URL=C:\ALTIUM_WORK\00001_MCHP-CDB\Datasheets\e24000019.pdf, ComponentLink3Description="Open Symbol", ComponentLink3URL="C:\ALTIUM_WORK\00001_MCHP-CDB\Library\LibraryRefs\CON USB2.0 Mini_Micro.SchLib", ComponentLink4Description="Open Footprint", ComponentLink4URL=C:\ALTIUM_WORK\00001_MCHP-CDB\Library\Footprints\CON_USB-B_Mini_SMD_RA_HIR_UX60-MB-5ST.PcbLib, ComponentLink5Description="Open Footprint 2", ComponentLink6Description="Open Footprint 3", ComponentLink7Description="Open Footprint 4", Description_="CON USB2.0 MINI-B FEMALE SMD R/A", Dev Tools Status=Production, MCHP-ID=CON0276, Populated=YES, Quantity Override=1, Revision=2, Status="MCL Design", Supplier 1=Digi-Key, Supplier 2=Digi-Key, Supplier 3=Digi-Key, Supplier 4=Oupiin, Supplier 5=Raynen, Supplier Part Number 2=H2959CT-ND, Supplier Part Number 3=H2959TR-ND, Supplier Part Number 4=8969-B05C00DBU, Supplier Part Number 5=PLUG00033B01M, Symbol="CON USB2.0 Mini_Micro", Type=USB
J3: "10 _8 + 2_ Position Card Connector microSDâ„¢ Surface Mount, Right Angle Gold", Package=None, Availability=Unavailable, MF="Global Connector Technology", MP=MEM2061-01-188-00-A, Price=None, SnapEDA_Link=https://www.snapeda.com/parts/MEM2061-01-188-00-A/Global%20Connector%20Technology/view-part/779219/?ref=snap
L1: library part IND1077, Manufacturer 1=TDK, Manufacturer Part Number 1=MLK1005S27NJ, Operating Temperature="-55C to +125C", Package=0402, RMS Current=200mA, Supplier Part Number 1=445-1472-1-ND, Test Frequency=100MHz, Category=Inductor, ComponentLink1Description="SVN Datasheet", ComponentLink1URL=https://chn-vm-apps.microchip.com/mchprepo/parts/Datasheets/e521_mlk.pdf, ComponentLink2Description="Local Datasheet", ComponentLink2URL=C:\ALTIUM_WORK\00001_MCHP-CDB\Datasheets\e521_mlk.pdf, ComponentLink3Description="Open Symbol", ComponentLink3URL=C:\ALTIUM_WORK\00001_MCHP-CDB\Library\LibraryRefs\Inductor.SchLib, ComponentLink4Description="Open Footprint", ComponentLink4URL=C:\ALTIUM_WORK\00001_MCHP-CDB\Library\Footprints\IND_C_0402.PcbLib, ComponentLink5Description="Open Footprint 2", ComponentLink6Description="Open Footprint 3", ComponentLink7Description="Open Footprint 4", DCR=0.8R, Description_="INDUCTOR 27nH 200mA 5% SMD 0402", Dev Tools Status=Production, MCHP-ID=IND1077, Owner="Tad Ahlvers", Populated=YES, Quantity Override=1, Revision=1, Status="MCL Design", Supplier 1=Digi-Key, Symbol=Inductor, Type=Inductor
P1 P2 P3: "WR-WTB SMT Male Horizontal Shrouded Header, pitch 1.5mm, 2p", Contact Resistance=20mOhm, Operating Temperature="-25 to +85degC", Rated Current=1A, Withstanding Voltage=500VAC, Working Voltage=50VAC, ComponentLink1Description=Manufacturer, ComponentLink1URL=http://www.we-online.de, ComponentLink2Description=Datasheet, ComponentLink2URL=https://www.we-online.com/catalog/datasheet/648102131822.pdf, Gender=Male, Mounting Technology=SMT, Packaging="Tape and Reel", Part Number=648102131822, Pin Number=2, Pitch=1.5mm, Published Date="January 2020", Publisher="Wurth Elektronik", Type=Horizontal
Q1 Q3: library part TRA1320, Current=98A, Drain to Source Voltage=40V, Gate to Source Voltage=2V, Manufacturer 1="Infineon Technologies", Manufacturer Part Number 1=BSC032N04LSATMA1, Operating Temperature="-55C to +150C", Package=TDSON-8, Power=52W, Supplier Part Number 1=BSC032N04LSATMA1CT-ND, Category=Transistor, ComponentLink1Description="SVN Datasheet", ComponentLink1URL=https://chn-vm-apps.microchip.com/mchprepo/parts/Datasheets/Infineon-BSC032N04LS-DS-v02_01-EN.pdf, ComponentLink2Description="Local Datasheet", ComponentLink2URL=C:\ALTIUM_WORK\00001_MCHP-CDB\Datasheets\Infineon-BSC032N04LS-DS-v02_01-EN.pdf, ComponentLink3Description="Open Symbol", ComponentLink3URL="C:\ALTIUM_WORK\00001_MCHP-CDB\Library\LibraryRefs\Transistor MOS-N SSSGDDDD.SchLib", ComponentLink4Description="Open Footprint", ComponentLink4URL=C:\ALTIUM_WORK\00001_MCHP-CDB\Library\Footprints\PDFN-8_5x6.PcbLib, ComponentLink5Description="Open Footprint 2", ComponentLink6Description="Open Footprint 3", ComponentLink7Description="Open Footprint 4", Description_="TRANS FET N-CH  BSC032N04LSATMA1 40V 98A 52W TDSON-8", Dev Tools Status=Design, MCHP-ID=TRA1320, Owner="Cristian Papuc", Populated=YES, Quantity Override=1, Revision=1, Status="MCL Design", Supplier 1=Digikey, Symbol="Transistor MOS-N SSSGDDDD", Type=FET, Voltage=40V
Q2: library part MIC7247, "Transistor MOS", Manufacturer 1="Microchip Technology", Manufacturer Part Number 1=2N7002-G, Supplier Part Number 1=2N7002-GMCCT-ND, Category=MCHP-Analog, ComponentLink1Description="SVN Datasheet", ComponentLink2Description="Local Datasheet", ComponentLink2URL=C:\ALTIUM_WORK\00001_MCHP-CDB\Datasheets\2N7002.pdf, ComponentLink3Description="Open Symbol", ComponentLink3URL="C:\ALTIUM_WORK\00001_MCHP-CDB\Library\LibraryRefs\Transistor MOS-N GSD.SchLib", ComponentLink4Description="Open Footprint", ComponentLink4URL=C:\ALTIUM_WORK\00001_MCHP-CDB\Library\Footprints\SOT-23-3.PcbLib, ComponentLink5Description="Open Footprint 2", ComponentLink6Description="Open Footprint 3", ComponentLink7Description="Open Footprint 4", Description_="MCHP ANALOG MOSFET N-CH 2N7002-G 60V 115mA SOT-23-3", Dev Tools Status=Production, MCHP-ID=MIC7247, Owner="Mark Loper", Populated=YES, Quantity Override=1, Revision=1, Status="MCL Design", Supplier 1=Digi-Key, Symbol="Transistor MOS-N GSD", Type=MOSFET
Q4 Q6: library part TRA0094, "Transistor Bipolar", Current=100mA, Manufacturer 1="NXP Semiconductors", Manufacturer Part Number 1=BC847BW,135, Operating Temperature="-65C to +150C", Package=SOT-323-3, Power=200mW, Supplier Part Number 1=BC847BW,135-ND, Voltage=45V, Category=Transistor, ComponentLink1Description="SVN Datasheet", ComponentLink1URL=https://chn-vm-apps.microchip.com/mchprepo/parts/Datasheets/BC847_BC547_SER.pdf, ComponentLink2Description="Local Datasheet", ComponentLink2URL=C:\ALTIUM_WORK\00001_MCHP-CDB\Datasheets\BC847_BC547_SER.pdf, ComponentLink3Description="Open Symbol", ComponentLink3URL="C:\ALTIUM_WORK\00001_MCHP-CDB\Library\LibraryRefs\Transistor NPN BEC.SchLib", ComponentLink4Description="Open Footprint", ComponentLink4URL=C:\ALTIUM_WORK\00001_MCHP-CDB\Library\Footprints\SOT-323-3.PcbLib, ComponentLink5Description="Open Footprint 2", ComponentLink6Description="Open Footprint 3", ComponentLink7Description="Open Footprint 4", Description_="TRANS BJT NPN BC847W 45V 100mA 200mW SOT-323-3", Dev Tools Status=Production, MCHP-ID=TRA0094, Populated=YES, Quantity Override=1, Revision=2, Status="MCL Design", Supplier 1=Digi-Key, Symbol="Transistor NPN BEC", Type=BJT
Q5: library part Crystall
R1 R6 R7 R10 R23 R28: library part RES1012, Manufacturer 1=SUSUMU, Manufacturer Part Number 1=RR0510P-103-D, Operating Temperature="-55C to +125C", Package=0402, Power=1/16W, Supplier Part Number 1=RR05P10.0KDCT-ND, Temperature Coefficient=25ppm/C, Tolerance=0.5%, Voltage=25V, Category=Resistor, ComponentLink1Description="SVN Datasheet", ComponentLink1URL=https://chn-vm-apps.microchip.com/mchprepo/parts/Datasheets/products_12.pdf, ComponentLink2Description="Local Datasheet", ComponentLink2URL=C:\ALTIUM_WORK\00001_MCHP-CDB\Datasheets\products_12.pdf, ComponentLink3Description="Open Symbol", ComponentLink3URL=C:\ALTIUM_WORK\00001_MCHP-CDB\Library\LibraryRefs\Resistor.SchLib, ComponentLink4Description="Open Footprint", ComponentLink4URL=C:\ALTIUM_WORK\00001_MCHP-CDB\Library\Footprints\RES_C_0402.PcbLib, ComponentLink5Description="Open Footprint 2", ComponentLink6Description="Open Footprint 3", ComponentLink7Description="Open Footprint 4", Composition=TF, Description_="RES TF 10k 0.5% 1/16W SMD 0402", Dev Tools Status=Production, MCHP-ID=RES1012, Owner="Tad Ahlvers", Populated=YES, Quantity Override=1, Revision=1, Status="MCL Design", Supplier 1=Digi-Key, Symbol=Resistor, Type="RES SMD"
R2: library part RES1130, Manufacturer 1=Panasonic, Manufacturer Part Number 1=ERJ-3EKF2201V, Operating Temperature="-55C to +155C", Package=0603, Power=1/10W, Supplier Part Number 1=P2.20KHCT-ND, Temperature Coefficient=100ppm/C, Tolerance=1%, Voltage=75V, Category=Resistor, ComponentLink1Description="SVN Datasheet", ComponentLink1URL=https://chn-vm-apps.microchip.com/mchprepo/parts/Datasheets/AOA0000CE2.pdf, ComponentLink2Description="Local Datasheet", ComponentLink2URL=C:\ALTIUM_WORK\00001_MCHP-CDB\Datasheets\AOA0000CE2.pdf, ComponentLink3Description="Open Symbol", ComponentLink3URL=C:\ALTIUM_WORK\00001_MCHP-CDB\Library\LibraryRefs\Resistor.SchLib, ComponentLink4Description="Open Footprint", ComponentLink4URL=C:\ALTIUM_WORK\00001_MCHP-CDB\Library\Footprints\RES_C_0603.PcbLib, ComponentLink5Description="Open Footprint 2", ComponentLink6Description="Open Footprint 3", ComponentLink7Description="Open Footprint 4", Composition=TKF, Description_="RES TKF 2.2k 1% 1/10W SMD 0603", Dev Tools Status=Production, MCHP-ID=RES1130, Owner="Bogdan P (M91398)", Populated=Yes, Quantity Override=1, Revision=0, Status="MCL Design", Supplier 1=Digi-Key, Symbol=Resistor, Type="RES SMD"
R3 R4 R11 R14 R20 R24 R25: library part RES1020, Manufacturer 1="Vishay Dale", Manufacturer Part Number 1=CRCW04022K20JNED, Operating Temperature="-55C to +155C", Package=0402, Power=1/16W, Supplier Part Number 1=541-2.2KJCT-ND, Temperature Coefficient=200ppm/C, Tolerance=5%, Voltage=50V, Category=Resistor, ComponentLink1Description="SVN Datasheet", ComponentLink1URL=https://chn-vm-apps.microchip.com/mchprepo/parts/Datasheets/dcrcwe3.pdf, ComponentLink2Description="Local Datasheet", ComponentLink2URL=C:\ALTIUM_WORK\00001_MCHP-CDB\Datasheets\dcrcwe3.pdf, ComponentLink3Description="Open Symbol", ComponentLink3URL=C:\ALTIUM_WORK\00001_MCHP-CDB\Library\LibraryRefs\Resistor.SchLib, ComponentLink4Description="Open Footprint", ComponentLink4URL=C:\ALTIUM_WORK\00001_MCHP-CDB\Library\Footprints\RES_C_0402.PcbLib, ComponentLink5Description="Open Footprint 2", ComponentLink6Description="Open Footprint 3", ComponentLink7Description="Open Footprint 4", Composition=TKF, Description_="RES TKF 2.2k 5% 1/16W SMD 0402", Dev Tools Status=Production, MCHP-ID=RES1020, Owner="Tad Ahlvers", Populated=YES, Quantity Override=1, Revision=1, Status="MCL Design", Supplier 1=Digi-Key, Symbol=Resistor, Type="RES SMD"
R5: library part RES1305, Manufacturer 1=ROHM, Manufacturer Part Number 1=MCR01MRTF10R0, Operating Temperature="-55C to +155C", Package=0402, Power=1/16W, Supplier Part Number 1=RHM10.0CDTR-ND, Temperature Coefficient=100ppm/C, Tolerance=1%, Voltage=50V, Category=Resistor, ComponentLink1Description="SVN Datasheet", ComponentLink1URL=https://chn-vm-apps.microchip.com/mchprepo/parts/Datasheets/mcr_g.pdf, ComponentLink2Description="Local Datasheet", ComponentLink2URL=C:\ALTIUM_WORK\00001_MCHP-CDB\Datasheets\mcr_g.pdf, ComponentLink3Description="Open Symbol", ComponentLink3URL=C:\ALTIUM_WORK\00001_MCHP-CDB\Library\LibraryRefs\Resistor.SchLib, ComponentLink4Description="Open Footprint", ComponentLink4URL=C:\ALTIUM_WORK\00001_MCHP-CDB\Library\Footprints\RES_C_0402.PcbLib, ComponentLink5Description="Open Footprint 2", ComponentLink6Description="Open Footprint 3", ComponentLink7Description="Open Footprint 4", Composition=TKF, Description_="RES TKF 10R 1% 1/16W SMD 0402", Dev Tools Status=Production, MCHP-ID=RES1305, Owner="Tad Ahlvers", Populated=YES, Quantity Override=1, Revision=1, Status="MCL Design", Supplier 1=Digi-Key, Symbol=Resistor, Type="RES SMD"
R8 R15 R21: library part RES1436, Manufacturer 1="Panasonic Electronic Components", Manufacturer Part Number 1=ERJ-2RKF1000X, Operating Temperature="-55°C ~ 155°C", Package=0402, Power=1/10W, Supplier Part Number 1=P100LCT-ND, Temperature Coefficient=±100ppm/°C, Tolerance=1%, Category=Resistor, ComponentLink1Description="SVN Datasheet", ComponentLink1URL="https://chn-vm-apps.microchip.com/mchprepo/parts/Datasheets/AOA0000CE2 (1).pdf", ComponentLink2Description="Local Datasheet", ComponentLink2URL="C:\ALTIUM_WORK\00001_MCHP-CDB\Datasheets\AOA0000CE2 (1).pdf", ComponentLink3Description="Open Symbol", ComponentLink3URL=C:\ALTIUM_WORK\00001_MCHP-CDB\Library\LibraryRefs\Resistor.SchLib, ComponentLink4Description="Open Footprint", ComponentLink4URL=C:\ALTIUM_WORK\00001_MCHP-CDB\Library\Footprints\RES_C_0402.PcbLib, ComponentLink5Description="Open Footprint 2", ComponentLink6Description="Open Footprint 3", ComponentLink7Description="Open Footprint 4", Composition=TKF, Description_="RES TKF 100R 1% 1/10W SMD 0402", Dev Tools Status=Production, MCHP-ID=RES1436, Populated=YES, Quantity Override=1, Revision=1, Status="MCL Design", Supplier 1=Digi-Key, Symbol=Resistor, Type="RES SMD"
R9 R17: library part RSMT1272, Manufacturer 1=Yageo, Manufacturer Part Number 1=RC0402JR-0733KL, Operating Temperature="-55C to +155C", Package=0402, Power=1/16W, Supplier Part Number 1=311-33KJRCT-ND, Temperature Coefficient=±100ppm/°C, Tolerance=5%, Category=Resistor, ComponentLink1Description="SVN Datasheet", ComponentLink1URL=https://chn-vm-apps.microchip.com/mchprepo/parts/Datasheets/PYu-RC_Group_51_RoHS_L_10.pdf, ComponentLink2Description="Local Datasheet", ComponentLink2URL=C:\ALTIUM_WORK\00001_MCHP-CDB\Datasheets\PYu-RC_Group_51_RoHS_L_10.pdf, ComponentLink3Description="Open Symbol", ComponentLink3URL=C:\ALTIUM_WORK\00001_MCHP-CDB\Library\LibraryRefs\Resistor.SchLib, ComponentLink4Description="Open Footprint", ComponentLink4URL=C:\ALTIUM_WORK\00001_MCHP-CDB\Library\Footprints\RES_C_0402.PcbLib, ComponentLink5Description="Open Footprint 2", ComponentLink6Description="Open Footprint 3", ComponentLink7Description="Open Footprint 4", Composition=TKF, Description_="RES TKF 33k 5% 1/16W SMD 0402", Dev Tools Status=Production, MCHP-ID=RSMT1272, Owner="Jose Luis Caceres", Populated=YES, Quantity Override=1, Revision=1, Status="MCL Design", Supplier 1=Digi-Key, Symbol=Resistor, Type="RES SMD"
R12: library part RES1022, Manufacturer 1=Panasonic, Manufacturer 2=Hottech, Manufacturer Part Number 1=ERJ-2RKF1001X, Manufacturer Part Number 2=RI0402L1001FT, Operating Temperature="-55C to +155C", Package=0402, Power=1/10W, Supplier Part Number 1=P1.00KLTR-ND, Temperature Coefficient=100ppm/C, Tolerance=1%, Voltage=50V, Category=Resistor, ComponentLink1Description="SVN Datasheet", ComponentLink1URL=https://chn-vm-apps.microchip.com/mchprepo/parts/Datasheets/AOA0000CE2.pdf, ComponentLink2Description="Local Datasheet", ComponentLink2URL=C:\ALTIUM_WORK\00001_MCHP-CDB\Datasheets\AOA0000CE2.pdf, ComponentLink3Description="Open Symbol", ComponentLink3URL=C:\ALTIUM_WORK\00001_MCHP-CDB\Library\LibraryRefs\Resistor.SchLib, ComponentLink4Description="Open Footprint", ComponentLink4URL=C:\ALTIUM_WORK\00001_MCHP-CDB\Library\Footprints\RES_C_0402.PcbLib, ComponentLink5Description="Open Footprint 2", ComponentLink6Description="Open Footprint 3", ComponentLink7Description="Open Footprint 4", Composition=TKF, Description_="RES TKF 1k 1% 1/10W SMD 0402", Dev Tools Status=Production, MCHP-ID=RES1022, Owner="Tad Ahlvers", Populated=YES, Quantity Override=1, Revision=2, Status="MCL Design", Supplier 1=Digi-Key, Supplier 2=Hottech, Supplier Part Number 2=RI0402L1001FT, Symbol=Resistor, Type="RES SMD"
R13: library part RES1007, Manufacturer 1="Panasonic - ECG", Manufacturer Part Number 1=ERJ-2GEJ332X, Operating Temperature="-55C to +155C", Package=0402, Power=1/10W, Supplier Part Number 1=P3.3KJCT-ND, Temperature Coefficient=200ppm/C, Tolerance=5%, Voltage=50V, Category=Resistor, ComponentLink1Description="SVN Datasheet", ComponentLink1URL=https://chn-vm-apps.microchip.com/mchprepo/parts/Datasheets/AOA0000CE1.pdf, ComponentLink2Description="Local Datasheet", ComponentLink2URL=C:\ALTIUM_WORK\00001_MCHP-CDB\Datasheets\AOA0000CE1.pdf, ComponentLink3Description="Open Symbol", ComponentLink3URL=C:\ALTIUM_WORK\00001_MCHP-CDB\Library\LibraryRefs\Resistor.SchLib, ComponentLink4Description="Open Footprint", ComponentLink4URL=C:\ALTIUM_WORK\00001_MCHP-CDB\Library\Footprints\RES_C_0402.PcbLib, ComponentLink5Description="Open Footprint 2", ComponentLink6Description="Open Footprint 3", ComponentLink7Description="Open Footprint 4", Composition=TKF, Description_="RES TKF 3.3k 5% 1/10W SMD 0402", Dev Tools Status=Production, MCHP-ID=RES1007, Owner="Tad Ahlvers", Populated=YES, Quantity Override=1, Revision=0, Status="MCL Design", Supplier 1=Digi-Key, Symbol=Resistor, Type="RES SMD"